# Altium PCB shield_display_4.3.PcbDoc (part 1 of 2)
Units mm, origin at the board's own origin, x right, y up, seen from the top; angles counter-clockwise.
Board outline 144.2 x 84.2 mm, 2 copper layers (Top Layer, Bottom Layer), stack 1.57 mm thick; 53 components, 150 nets, 337 pads, 233 vias.
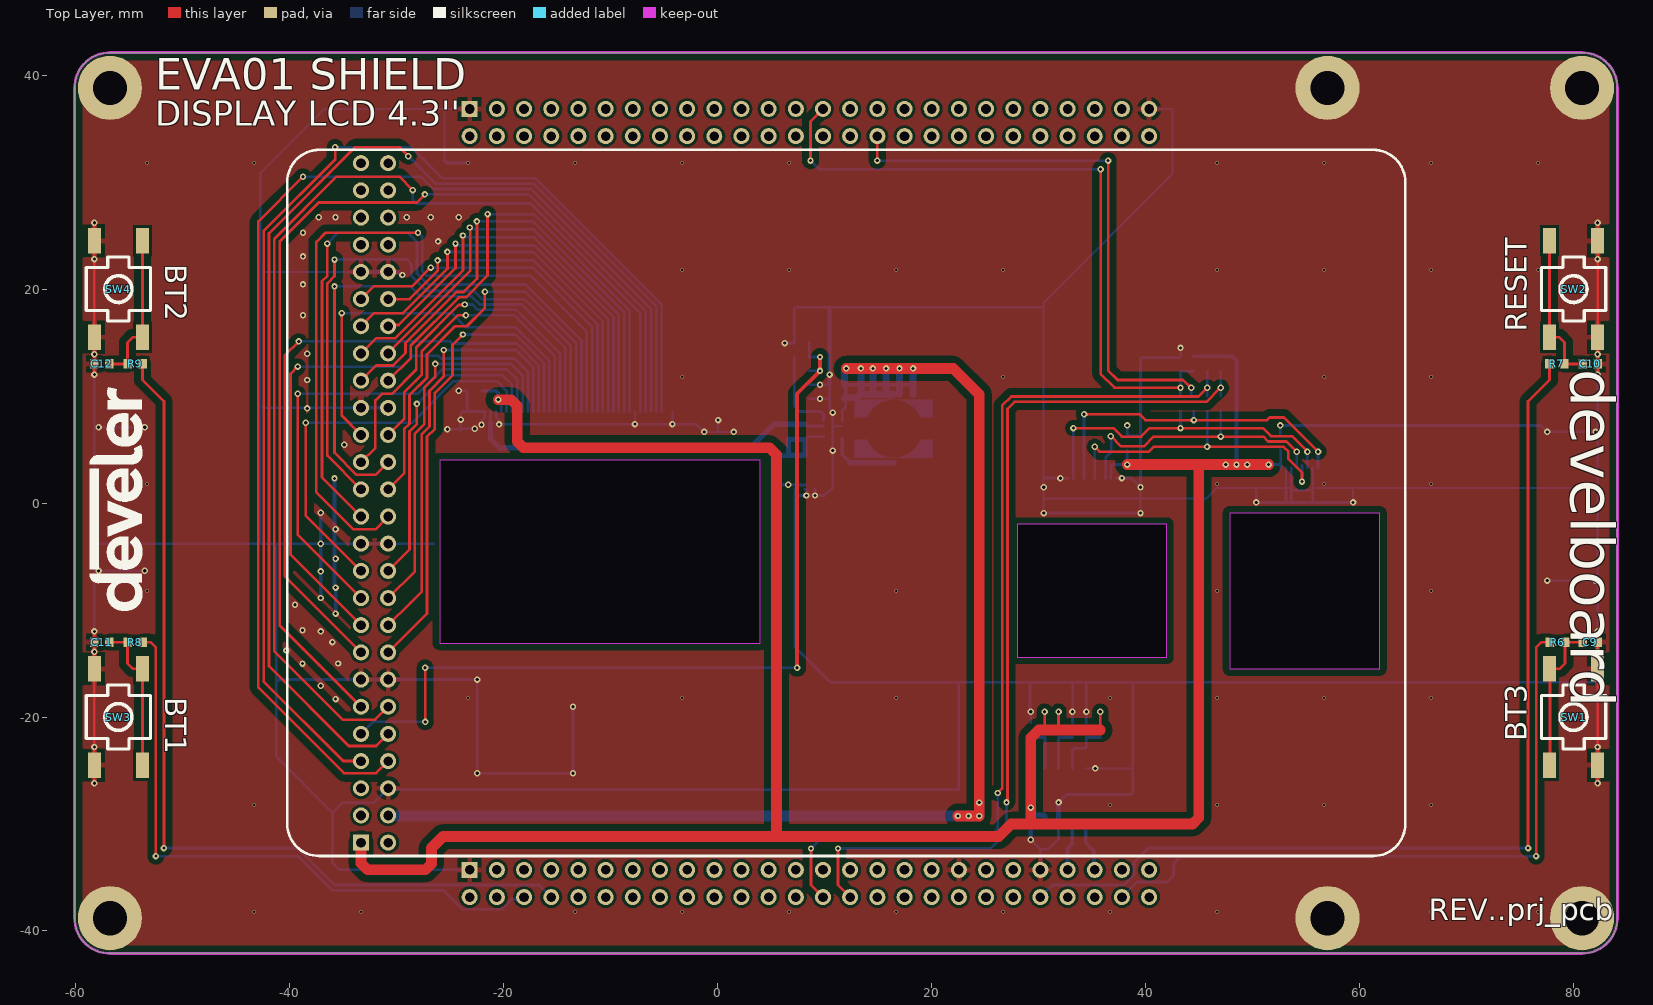
[diagram p0: Top Layer view]
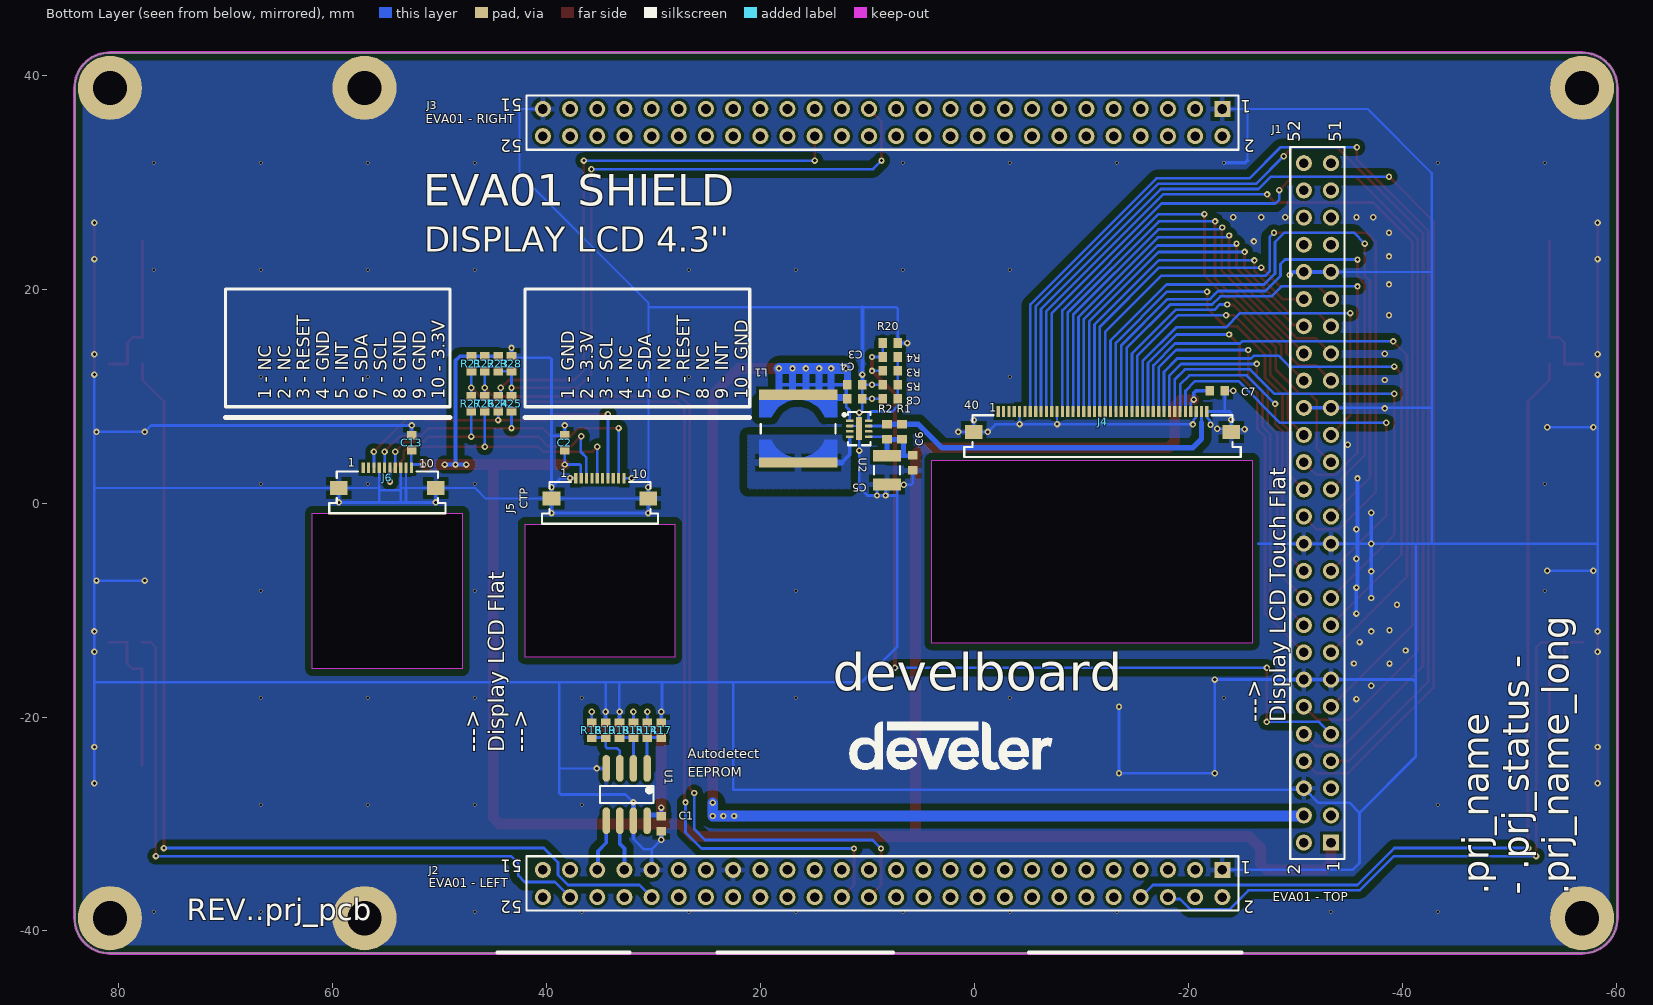
[diagram p1: Bottom Layer view, seen from below]

## Layer stack, top to bottom
Top Solder: solder mask 0.0102, Solder Resist, Dk 3.5
Top Layer: signal copper 0.035
Dielectric1: core 1.5, FR-4, Dk 4.2
Bottom Layer: signal copper 0.035
Bottom Solder: solder mask 0.0102, Solder Resist, Dk 3.5

## Board outline
-56.8,-42.1 cw(c-56.8,-38.8) -60.1,-38.8 -60.1,38.8 cw(c-56.8,38.8) -56.8,42.1 80.8,42.1 cw(c80.8,38.8) 84.1,38.8 84.1,-38.8 cw(c80.8,-38.8) 80.8,-42.1 80.7,-42.1
cut-out: 28,-1.987 28,-14.4 42,-14.4 42,-1.987
cut-out: -25.972,4 -25.972,-13.098 4,-13.098 4,4
cut-out: 47.87,-0.956 47.87,-15.5 61.87,-15.5 61.87,-0.956

## Design rules (kind name [scope] priority, off if disabled: settings)
Clearance Clearance_1 [(ObjectKind = 'Pad') And (Name = 'Free-Hole') vs OnLayer('Keep-Out Layer')] p1: gap=0.15 ignorepadtopadclearanceinfootprint=FALSE
Clearance Clearance_shld [(ObjectKind = 'Pad') And (Net = 'SHLD') vs not OnLayer('Keep-Out Layer')] p2: gap=0.8 ignorepadtopadclearanceinfootprint=FALSE except(0: Arc-Hole Track-Hole SMDPad-Hole THPad-Hole Via-Hole Fill-Hole Poly-Hole Region-Hole Text-Hole; 0.5: Track-SMDPad SMDPad-SMDPad)
Clearance Clearance_hole [(ObjectKind = 'Pad') And (Net = 'No Net') And (AsMM(HoleDiameter) = 3.2)] p3: gap=1 ignorepadtopadclearanceinfootprint=FALSE except(0: Arc-Hole Track-Hole SMDPad-Hole THPad-Hole Via-Hole Fill-Hole Poly-Hole Region-Hole Text-Hole)
Clearance Clearance_poly [inpoly] p4: gap=0.25 ignorepadtopadclearanceinfootprint=FALSE except(0: Arc-Hole Track-Hole SMDPad-Hole THPad-Hole Via-Hole Fill-Hole Poly-Hole Region-Hole Text-Hole; 0.65: Arc-Fill Arc-Poly Arc-Region Track-Fill Track-Poly Track-Region Poly-Poly Poly-Region Region-Region)
Clearance Clearance_80 [(ObjectKind = 'Track') And (AsMM(Width) = 0.8)] p5: gap=0.8 ignorepadtopadclearanceinfootprint=FALSE except(0: Arc-Hole Track-Hole SMDPad-Hole THPad-Hole Via-Hole Fill-Hole Poly-Hole Region-Hole Text-Hole)
Clearance Clearance_45 [(ObjectKind = 'Track') And (AsMM(Width) = 0.45)] p6: gap=0.45 ignorepadtopadclearanceinfootprint=FALSE except(0: Arc-Hole Track-Hole SMDPad-Hole THPad-Hole Via-Hole Fill-Hole Poly-Hole Region-Hole Text-Hole)
Clearance Clearance_35 [(ObjectKind = 'Track') And (AsMM(Width) = 0.35)] p7: gap=0.35 ignorepadtopadclearanceinfootprint=FALSE except(0: Arc-Hole Track-Hole SMDPad-Hole THPad-Hole Via-Hole Fill-Hole Poly-Hole Region-Hole Text-Hole)
Clearance Clearance_com [InComponentClass('015')] p8: gap=0.15 ignorepadtopadclearanceinfootprint=FALSE except(0: Arc-Hole Track-Hole SMDPad-Hole THPad-Hole Via-Hole Fill-Hole Poly-Hole Region-Hole Text-Hole)
Clearance [All] p9: gap=0.25 ignorepadtopadclearanceinfootprint=FALSE except(0: Arc-Hole Track-Hole SMDPad-Hole THPad-Hole Via-Hole Fill-Hole Poly-Hole Region-Hole Text-Hole)
ComponentClearance [All] p1: gap=0.25 collisioncheckmode=3 verticalgap=0.25 showdistances=FALSE
HoleSize [All] p1: absolutevalues=TRUE maxlimit=10 minlimit=0.2 maxpercent=80.000 minpercent=20.000
HoleToHoleClearance [All] p1: gap=0.25 allowstackedmicrovias=TRUE
MinimumSolderMaskSliver MinimumSolderMaskSliver_con [incomponent('j4')] p1: minsoldermaskwidth=0.08
MinimumSolderMaskSliver [All] p2: minsoldermaskwidth=0.1
PlaneClearance [All] p1: clearance=0.5
PlaneConnect PlaneConnect_via [isvia or hasfootprint('TEST_POINT_SMD_R5x3MM')] p1: planeconnectstyle=Direct reliefexpansion=0.508 reliefentries=4 reliefconductorwidth=0.254 reliefairgap=0.254
PlaneConnect [All] p2: planeconnectstyle=Relief reliefexpansion=0.6 reliefentries=4 reliefconductorwidth=0.35 reliefairgap=0.35
PolygonConnect PolygonConnect_holes [InPadClass('flood_pad')] p1: connectstyle=Direct reliefconductorwidth=0.254 reliefentries=4 polygonreliefangle="90 Angle" airgapwidth=0.254
PolygonConnect PolygonConnect_via [isvia or hasfootprint('TEST_POINT_SMD_R5x3MM')] p2: connectstyle=Direct reliefconductorwidth=0.254 reliefentries=4 polygonreliefangle="90 Angle" airgapwidth=0.254
PolygonConnect PolygonConnect_gnd [InNet('gnd')] p3: connectstyle=Relief reliefconductorwidth=0.5 reliefentries=4 polygonreliefangle="90 Angle" airgapwidth=0.35
PolygonConnect PolygonConnect_5v [InNet('+5V','sw')] p4: connectstyle=Relief reliefconductorwidth=0.65 reliefentries=4 polygonreliefangle="90 Angle" airgapwidth=0.35
PolygonConnect [All] p5: connectstyle=Relief reliefconductorwidth=0.35 reliefentries=4 polygonreliefangle="90 Angle" airgapwidth=0.6
RoutingVias [All] p1: holewidth=0.3 width=0.6 viastyle="Through Hole" minholewidth=0.2 minwidth=0.35 maxholewidth=0.5 maxwidth=1
SilkToSilkClearance [All] p1: silktosilkclearance=0.1
SilkToSolderMaskClearance [IsPad] p1: minsilkscreentomaskgap=0.15 clearancetoexposedcopper=TRUE
SolderMaskExpansion SolderMaskExpansion_via [isVia] p1: expansion=-10 istentingtop=FALSE
SolderMaskExpansion [All] p2: expansion=0.05 istentingtop=FALSE
Width [All] p1: maxlimit=5 minlimit=0.15 preferedwidth=0.25
22 further rules are at their usual default settings.

## Classes and differential pairs
pad class flood_pad: Free-Hole
component class 015: J4 J5 J6 U2
net class Power: +3.3V +5V GND VBATT

## Components (designator, comment, footprint, x,y, rotation, side; value= is the part's Value field where it differs from the comment)
C1 "100nF" 0603_[1608] 29.265,-29.97 r90 bottom value=10nF
C2 "100nF" 0603_[1608] 38.291,5.629 r90 bottom value=10nF
C3 "100nF" 0603_[1608] 11.167,9.75 r0 bottom value=10nF
C4 "1uF" 0603_[1608] 11.167,11.05 r0 bottom value=10nF
C5 "2.2uF" 1210_[3225] 8.167,3.075 r90 bottom value=10nF
C6 "100nF" 0603_[1608] 5.75,3.75 r90 bottom value=10nF
C7 "100nF" 0603_[1608] -22.69,10.488 r180 bottom value=10nF
C8 "100nF" 0603_[1608] 7.867,9.75 r180 bottom value=10nF
C9 "100nF" 0603_[1608] 81.55,-13 r180 top value=10nF
C10 "100nF" 0603_[1608] 81.55,13 r180 top value=10nF
C11 "100nF" 0603_[1608] -57.55,-13 r0 top value=10nF
C12 "100nF" 0603_[1608] -57.55,13 r0 top value=10nF
C13 "100nF" 0603_[1608] 52.595,5.654 r90 bottom value=10nF
J1 "EVA01 - TOP" SOCKET_2x26_2.54MM_THD -32.06,0.01 r90 bottom locked
J2 "EVA01 - LEFT" SOCKET_2x26_2.54MM_THD 8.58,-35.56 r0 bottom locked
J3 "EVA01 - RIGHT" SOCKET_2x26_2.54MM_THD 8.58,35.56 r0 bottom locked
J4 "Display LCD 4.3''" FCC-ZIF_40PIN_0.5MM_TOP_LOWPROFILE -11.976,6.248 r180 bottom
J5 "CTP" FCC-ZIF_10PIN_0.5MM_LOW_PROFILE 35,0.007 r180 bottom
J6 "CTP" FCC-ZIF_10PIN_0.5MM_LOW_PROFILE 54.87,1 r180 bottom
L1 "22uH WE 744062220" WE-TPC-6823-X 16.467,6.95 r90 bottom
logo "Comment" DEVELER_TB_TOP -68.801,-144.95 r180 top
logo_1 "Comment" DEVELER_PCB_NOTE 99.631,-144.95 r0 top
logo_1_1 "Comment" DEVELER_TB_TOP 99.631,-144.95 r0 top
R1 "NP" 0603_[1608] 6.767,6.65 r270 bottom value=1K
R2 "10R 1%" 0603_[1608] 8.167,6.65 r270 bottom value=1K
R3 "390K 1%" 0603_[1608] 7.867,12.35 r0 bottom value=1K
R4 "820K 1%" 0603_[1608] 7.867,13.65 r180 bottom value=1K
R5 "220K 1%" 0603_[1608] 7.867,11.05 r0 bottom value=1K
R6 "22R" 0603_[1608] 78.5,-13 r180 top value=1K
R7 "22R" 0603_[1608] 78.45,13 r180 top value=1K
R8 "22R" 0603_[1608] -54.45,-13 r0 top value=1K
R9 "22R" 0603_[1608] -54.45,13 r0 top value=1K
R14 "0R" 0603_[1608] 30.565,-21.22 r270 bottom value=1K
R15 "NP" 0603_[1608] 31.865,-21.22 r270 bottom value=1K
R16 "NP" 0603_[1608] 35.765,-21.22 r270 bottom value=1K
R17 "NP" 0603_[1608] 29.265,-21.22 r270 bottom value=1K
R18 "0R" 0603_[1608] 33.165,-21.22 r270 bottom value=1K
R19 "0R" 0603_[1608] 34.465,-21.22 r270 bottom value=1K
R20 "1K" 0603_[1608] 7.867,14.95 r180 bottom
R21 "2k2" 0603_[1608] 47,13.026 r270 bottom value=1K
R22 "2k2" 0603_[1608] 45.75,13.026 r270 bottom value=1K
R23 "NP" 0603_[1608] 44.516,13.026 r270 bottom value=1K
R24 "33R" 0603_[1608] 44.516,9.276 r90 bottom value=1K
R25 "33R" 0603_[1608] 43.266,9.276 r90 bottom value=1K
R26 "33R" 0603_[1608] 45.75,9.276 r90 bottom value=1K
R27 "33R" 0603_[1608] 47.016,9.276 r90 bottom value=1K
R28 "100k" 0603_[1608] 43.266,13.026 r90 bottom value=1K
SW1 "BT3" TACTILE_SWITCH_6x6MM_SMD 80,-20 r180 top
SW2 "RESET" TACTILE_SWITCH_6x6MM_SMD 80,20 r180 top
SW3 "BT1" TACTILE_SWITCH_6x6MM_SMD -56,-20 r0 top
SW4 "BT2" TACTILE_SWITCH_6x6MM_SMD -56,20 r0 top
U1 "24C128" SOIC8 32.5,-27.25 r270 bottom
U2 "LT3591EDDB" PQFN50P300X200X75_HS-9L 10.767,6.95 r270 bottom

## Footprints (in the part's own frame and the unit in brackets; to place one, negate y for a bottom-side part, rotate by r counter-clockwise, add the part's x,y. Pads: shape width x height; smd on the part's side, far side on the other; paste and mask are expansions set on the pad)
0603_[1608] [mm] "Chip Capacitor, Body 1.6x0.8mm, IPC High Density"
  rect 0.8x0.9 smd: 1(-0.7,0) 2(0.7,0)
  body extent -0.75,-0.4 0.75,0.4, height 0.67
1210_[3225] [mm] "Chip Resistor, Body 3.2x2.5mm, IPC High Density"
  rect 1.1x2.6 smd: 1(-1.35,0) 2(1.35,0)
  silkscreen extent -0.4,-1.2 0.4,1.2, body extent -1.6,-1.25 1.6,1.25, height 1.7
DEVELER_PCB_NOTE [mm]
DEVELER_TB_TOP [mm]
FCC-ZIF_10PIN_0.5MM_LOW_PROFILE [mm] "ZIF Connectors, Horizontal, Bottom Contact Low Profile, pitch 0.5mm, 10p"
  rect 0.3x1 smd: 1(-2.25,2.3) 2(-1.75,2.3) 3(-1.25,2.3) 4(-0.75,2.3) 5(-0.25,2.3) 6(0.25,2.3) 7(0.75,2.3) 8(1.25,2.3) 9(1.75,2.3) 10(2.25,2.3)
  rect 1.65x1.3 smd: MP1(-4.525,0.4) MP2(4.525,0.4)
  silkscreen extent -5.42,-1.95 5.43,1.95, body extent -5.35,-1.9 5.35,2.35, height 1.28
FCC-ZIF_40PIN_0.5MM_TOP_LOWPROFILE [mm] "ZIF Connectors, Horizontal, Top Contact Low Profile, pitch 0.5mm, 40p"
  rect 0.3x1 smd: 1(-9.75,2.3) 2(-9.25,2.3) 3(-8.75,2.3) 4(-8.25,2.3) 5(-7.75,2.3) 6(-7.25,2.3) 7(-6.75,2.3) 8(-6.25,2.3) 9(-5.75,2.3) 10(-5.25,2.3) 11(-4.75,2.3) 12(-4.25,2.3) 13(-3.75,2.3) 14(-3.25,2.3) 15(-2.75,2.3) 16(-2.25,2.3) 17(-1.75,2.3) 18(-1.25,2.3) 19(-0.75,2.3) 20(-0.25,2.3) 21(0.25,2.3) 22(0.75,2.3) 23(1.25,2.3) 24(1.75,2.3) 25(2.25,2.3) 26(2.75,2.3) 27(3.25,2.3) 28(3.75,2.3) 29(4.25,2.3) 30(4.75,2.3) 31(5.25,2.3) 32(5.75,2.3) 33(6.25,2.3) 34(6.75,2.3) 35(7.25,2.3) 36(7.75,2.3) 37(8.25,2.3) 38(8.75,2.3) 39(9.25,2.3) 40(9.75,2.3)
  rect 1.65x1.3 smd: MP1(-12.025,0.4) MP2(12.025,0.4)
  silkscreen extent -12.92,-1.95 12.93,1.95, body extent -12.85,-1.9 12.85,2.35, height 1.28
PQFN50P300X200X75_HS-9L [mm] "PQFN, 8-Leads, Body 3,00x2,00mm, Pitch 0,50mm, Thermal Pad 2,15x0,56mm, IPC High Density"
  rrect50% 0.25x0.7 smd: 1(-0.75,-0.875) 2(-0.25,-0.875) 3(0.25,-0.875) 4(0.75,-0.875) 5(0.75,0.875) 6(0.25,0.875) 7(-0.25,0.875) 8(-0.75,0.875)
  rect 2.15x0.56 smd: 9(0,0)
  silkscreen extent -1.55,-1.53 1.55,1.05, body extent -1.55,-1.05 1.55,1.05, height 0.75
SOCKET_2x26_2.54MM_THD [mm]
  rect 1.5x1.5 hole 0.9: 1(-31.75,-1.27)
  round 1.5 hole 0.9: 2(-31.75,1.27) 3(-29.21,-1.27) 4(-29.21,1.27) 5(-26.67,-1.27) 6(-26.67,1.27) 7(-24.13,-1.27) 8(-24.13,1.27) 9(-21.59,-1.27) 10(-21.59,1.27) 11(-19.05,-1.27) 12(-19.05,1.27) 13(-16.51,-1.27) 14(-16.51,1.27) 15(-13.97,-1.27) 16(-13.97,1.27) 17(-11.43,-1.27) 18(-11.43,1.27) 19(-8.89,-1.27) 20(-8.89,1.27) 21(-6.35,-1.27) 22(-6.35,1.27) 23(-3.81,-1.27) 24(-3.81,1.27) 25(-1.27,-1.27) 26(-1.27,1.27) 27(1.27,-1.27) 28(1.27,1.27) 29(3.81,-1.27) 30(3.81,1.27) 31(6.35,-1.27) 32(6.35,1.27) 33(8.89,-1.27) 34(8.89,1.27) 35(11.43,-1.27) 36(11.43,1.27) 37(13.97,-1.27) 38(13.97,1.27) 39(16.51,-1.27) 40(16.51,1.27) 41(19.05,-1.27) 42(19.05,1.27) 43(21.59,-1.27) 44(21.59,1.27) 45(24.13,-1.27) 46(24.13,1.27) 47(26.67,-1.27) 48(26.67,1.27) 49(29.21,-1.27) 50(29.21,1.27) 51(31.75,-1.27) 52(31.75,1.27)
  silkscreen extent -33.27,-2.54 33.27,2.54, body extent -33.26,-2.54 33.26,2.54, height 8.55
SOIC8 [mm] "SOIC, 8-Leads, Body 4.9x3.8mm, Pitch 1.27mm, IPC Low Density"
  oval 2.5x0.7 smd: 1(-2.45,1.905) 2(-2.45,0.635) 3(-2.45,-0.635) 4(-2.45,-1.905) 5(2.45,-1.905) 6(2.45,-0.635) 7(2.45,0.635) 8(2.45,1.905)
  silkscreen extent -0.8,-2.5 0.8,2.5, body extent -2,-2.5 2,2.5, height 1.75
TACTILE_SWITCH_6x6MM_SMD [mm] "Tactile switch smd 4pin vertical"
  rect 1.2x2.4 smd: 1(2.25,4.5) 2(2.25,-4.5) 3(-2.25,4.5) 4(-2.25,-4.5)
  silkscreen extent -3,-3 3,3, body extent -3.1,-4.5 3.1,4.5, height 9.5
WE-TPC-6823-X [mm] "SMD Inductor, 2-Leads, Body 6,8x6,8mm"
  rect 0.95x7.3 smd: 1(-3.175,0) 2(3.175,0)
  Top Layer region: -2.7,-3.65 -1.05,-3.65 -1.05,-2.5 -1.45,-2.3 -1.65,-2.15 -1.9,-1.95 -2.2,-1.6 -2.35,-1.35 -2.45,-1.15 -2.65,-0.55 -2.7,0
  Top Layer region: 2.7,-3.65 1.05,-3.65 1.05,-2.5 1.35,-2.35 1.7,-2.1 1.95,-1.9 2,-1.85 2.2,-1.6 2.35,-1.35 2.45,-1.15 2.55,-0.9 2.6,-0.7 2.65,-0.5 2.7,0
  Top Layer region: 2.7,3.65 1.05,3.65 1.05,2.5 1.35,2.35 1.65,2.15 2,1.85 2.3,1.45 2.55,0.95 2.65,0.55 2.7,0
  Top Layer region: -2.7,3.65 -1.05,3.65 -1.05,2.5 -1.45,2.3 -1.6,2.2 -1.9,1.95 -2.2,1.6 -2.4,1.25 -2.55,0.95 -2.6,0.75 -2.65,0.5 -2.7,0
  silkscreen extent -0.45,-3.5 0.45,3.5, body extent -3.4,-3.4 3.4,3.4, height 2.29

## Part data
C1 C3 C6 C8 C9 C10 C11 C12: library part Cap, "Ceramic X7R 50V", Published=8-Jun-2000, Publisher="Altium Limited", Revision="July-2002: Re-released for DXP Platform."
C2 C13: library part Cap, "Ceramic X7R 10V", Published=8-Jun-2000, Publisher="Altium Limited", Revision="July-2002: Re-released for DXP Platform."
C4: library part Cap, "Ceramic X7R, X5R 16V", Published=8-Jun-2000, Publisher="Altium Limited", Revision="July-2002: Re-released for DXP Platform."
C5: library part Cap, "Ceramic X7R, X5R 50V", Published=8-Jun-2000, Publisher="Altium Limited", Revision="July-2002: Re-released for DXP Platform."
C7: library part Cap, "Ceramic X5R 6.3V, 10V", Published=8-Jun-2000, Publisher="Altium Limited", Revision="July-2002: Re-released for DXP Platform."
J1 J2 J3: library part "Header 26x2", "Socket Header, 52 pin, 26x2, 2.54mm, H=8.5mm", Part Number="Tyco 1-1634688", Purchase Code="RS 473-8254"
J4: library part FPC-ZIF_40PIN_1MM, "Connectors, FPC, SMT ZIF, Low Profile, Horizontal, Top Contact, pitch 0.5 mm, 40 pins (WE 687140183622)", Contact Resistance="30 mOhm", Operating Temperature="-25 to 85 degC", Part Number=687140183622, Rated Current="0.4 A", Withstanding Voltage="250 VAC", Working Voltage="50 VAC", ComponentLink1Description=Manufacturer, ComponentLink1URL=http://www.we-online.de, ComponentLink2Description=Datasheet, ComponentLink2URL=https://katalog.we-online.de/em/datasheet/687140183622.pdf, Contact Design="Top Contact", Mounting Technology=SMT, Orientation=Horizontal, Packaging="Tape and Reel", Pin Number=40, Pitch="0.5 mm", Published Date="August 2018", Publisher="Wurth Elektronik"
J5: library part FPC-ZIF_10PIN_0.5MM, "Connectors, FPC, SMT ZIF, Low Profile, Horizontal, Top Contact, pitch 0.5 mm, 10 pins (WE 687110183622)", Contact Resistance="30 mOhm", Operating Temperature="-25 to 85 degC", Part Number=687110183722, Rated Current="0.4 A", Withstanding Voltage="250 VAC", Working Voltage="50 VAC", ComponentLink1Description=Manufacturer, ComponentLink1URL=http://www.we-online.de, ComponentLink2Description=Datasheet, ComponentLink2URL=https://katalog.we-online.de/em/datasheet/687110183722.pdf, Contact Design="Bottom Contact", Mounting Technology=SMT, Orientation=Horizontal, Packaging="Tape and Reel", Pin Number=10, Pitch="0.5 mm", Published Date="August 2018", Publisher="Wurth Elektronik"
J6: library part FPC-ZIF_10PIN_0.5MM, "Connectors, FPC, SMT ZIF, Low Profile, Horizontal, BOT Contact, pitch 0.5 mm, 10 pins (WE )", Contact Resistance="30 mOhm", Operating Temperature="-25 to 85 degC", Part Number=687110183722, Rated Current="0.4 A", Withstanding Voltage="250 VAC", Working Voltage="50 VAC", ComponentLink1Description=Manufacturer, ComponentLink1URL=http://www.we-online.de, ComponentLink2Description=Datasheet, ComponentLink2URL=https://katalog.we-online.de/em/datasheet/687110183722.pdf, Contact Design="Bottom Contact", Mounting Technology=SMT, Orientation=Horizontal, Packaging="Tape and Reel", Pin Number=10, Pitch="0.5 mm", Published Date="August 2018", Publisher="Wurth Elektronik"
L1: library part Inductor, "Power Inductor"
R1 R2 R21 R22 R23 R28: library part Res1, "Resistor 0.125W", Published=8-Jun-2000, Publisher="Altium Limited", Revision="July-2002: Re-released for DXP Platform."
R3 R4 R5 R6 R7 R8 R9 R14 R15 R16 R17 R18 R19 R20 R24 R25 R26 R27: library part Res1, "Resistor", Published=8-Jun-2000, Publisher="Altium Limited", Revision="July-2002: Re-released for DXP Platform."
SW1 SW2 SW3 SW4: library part tactile_switch, "Tactile switch smd H=4.3mm 10x6mm (like cod. Farnell 2435308)"
U1: library part EEPROM-SOIC8, "EEPROM"
U2: library part LT3591, "White LED Driver with Integrated Schottky"

## Free pads (board coordinates)
  round 6 hole 3.2: Hole(-56.8,-38.8) Hole(-56.8,38.8) Hole(57,-38.8) Hole(57,38.8) Hole(80.8,-38.8) Hole(80.8,38.8)

## Via types
v1: diameter 0.6, hole 0.3, Top Layer to Bottom Layer, 180 vias
v2: diameter 0.35, hole 0.25, Top Layer to Bottom Layer, 53 vias

## Nets (pads, with @x,y where several pads share a name; then routed paths per layer and width w, separated by ;. In a path a pad name is that pad's centre, name@x,y a point inside that pad or via, vN(x,y) a via of type N, cw(c..) or ccw(c..) an arc to the next point about the centre after c; other vN are vias at no path point)
+1.8V: J3.49
+3.3V: C1.2 C2.1 C7.1 C13.1 J1.1 J4.37 J5.2 J6.10 R14.1 R15.1 R16.1 R21.1 R22.1 R23.1 U1.8 | length 247
  Top Layer w0.25: 30.565,-21.22 v1(30.565,-19.5) ; 31.865,-21.22 v1(31.865,-19.5) ; 35.765,-21.22 v1(35.765,-19.5)
  Top Layer w1: J1.1@-33.33,-31.74 -33.33,-33.67 -32.71,-34.29 -27.336,-34.29 -26.75,-33.704 -26.75,-32.25 -25.67,-31.17 26.275,-31.17 27.448,-29.997 29.265,-29.997 ; v1(-20.508,9.665) -19.312,9.665 -18.726,9.079 -18.726,5.746 -18.14,5.16 4.857,5.16 5.5,4.517 5.5,-31 ; 35.765,-21.22 31.865,-21.22 30.565,-21.22 30.015,-21.22 29.265,-21.97 v1(29.265,-28.47) 29.265,-29.997 ; v1(38.291,3.595) 45,3.595 ; v1(51.5,3.595) v1(49.5,3.595) v1(48.5,3.595) v1(47.5,3.595) 45,3.595 ; 29.265,-29.997 44.387,-29.997 44.973,-29.411 44.973,3.567 45,3.595
  Bottom Layer w0.2: J4.37@-20.226,8.548 -20.226,9.383 ; J5.2@36.75,2.307 36.75,2.666 36.791,2.707 36.791,3.499
  Bottom Layer w0.25: v1(-20.508,9.665) -20.226,9.383 ; R14.1@30.565,-20.52 v1(30.565,-19.5) ; R15.1@31.865,-20.52 v1(31.865,-19.5) ; R16.1@35.765,-20.52 v1(35.765,-19.5) ; 36.791,3.499 36.887,3.595 v1(38.291,3.595) C2.1@38.291,4.929 ; v1(51.5,3.595) 52.595,3.595 J6.10@52.62,3.57 ; C13.1@52.595,4.954 52.62,4.929 J6.10@52.62,3.57 ; J6.10@52.62,3.3 J6.10@52.62,3.57
  Bottom Layer w0.35: C7.1@-21.99,10.488 -20.7,10.488 -20.508,10.297 v1(-20.508,9.665) ; R23.1@44.516,13.726 48.09,13.726 48.5,13.316 v1(48.5,3.595) ; v1(47.5,3.595) v1(48.5,3.595) ; v1(49.5,3.595) v1(48.5,3.595)
  Bottom Layer w0.45: C1.2@29.2,-29.15 C1.2@29.265,-29.15 ; C1.2@29.265,-29.27 29.265,-29.17 C1.2@29.265,-29.15 ; v1(29.265,-28.47) C1.2@29.265,-29.15 ; U1.8@30.595,-29.6 30.595,-29.245 30.5,-29.15 C1.2@29.265,-29.15
+5V: C3.2 C4.2 J1.4 L1.2 U2.1 | length 146.7
  Top Layer w1: v1(12.017,12.582) v1(13.392,12.582) v1(14.517,12.582) v1(15.75,12.582) v1(17,12.582) v1(18.268,12.582) 22.019,12.582 24.458,10.142 v1(24.458,-28) v1(24.458,-29.25) v1(23.458,-29.25) v1(22.458,-29.25)
  Bottom Layer w0.25: U2.1@11.642,7.7 11.642,8.625 11.967,8.95 C3.2@11.967,9.75 ; C3.2@11.867,9.75 C3.2@11.967,9.75 ; C4.2@11.867,11.05 C4.2@11.967,10.95 ; C3.2@11.967,9.875 C3.2@11.967,9.75 ; L1.2@16.092,9.75 L1.2@16.467,10.125
  Bottom Layer w0.35: C4.2@11.867,11.05 13.392,11.05 14.517,11.05 15.75,11.05 17,11.05 18.268,11.05 ; C3.2@11.967,9.875 C4.2@11.967,10.95
  Bottom Layer w0.65: C3.2@11.867,9.75 11.867,9.8 11.942,9.875 11.967,9.875 13.042,9.875 13.292,10.125 L1.2@16.467,10.125 ; C4.2@11.867,11.05 11.867,12.432 v1(12.017,12.582) ; L1.2@13.392,10.142 13.392,11.05 v1(13.392,12.582) ; L1.2@14.517,10.142 14.517,11.05 v1(14.517,12.582) ; L1.2@15.75,10.142 15.75,11.05 v1(15.75,12.582) ; L1.2@17,10.142 17,11.05 v1(17,12.582) ; L1.2@18.268,10.142 18.268,11.05 v1(18.268,12.582)
  Bottom Layer w1: J1.4@-30.79,-29.2 -30.74,-29.25 v1(22.458,-29.25) v1(23.458,-29.25) v1(24.458,-29.25) v1(24.458,-28) ; v1(12.017,12.582) v1(13.392,12.582) v1(14.517,12.582) v1(15.75,12.582) v1(17,12.582) v1(18.268,12.582)
ADCREF_EXT: J2.46
BOOT_RECOVERY: J2.52
GND: C1.1 C2.2 C3.1 C4.1 C5.1 C6.1 C7.2 C8.1 C9.1 C10.1 C11.1 C12.1 C13.2 J1.6 J1.13 J1.14 J1.23 J1.24 J1.33 J1.34 J1.43 J1.44 J2.1 J2.37 J2.43 J3.1 J3.51 J4.5 J4.12 J4.38 J4.40 J4.MP1 J4.MP2 J5.1 J5.10 J5.MP1 J5.MP2 J6.4 J6.8 J6.9 J6.MP1 J6.MP2 pad.Hole R5.2 R17.1 R18.1 R19.1 R20.2 R28.2 SW1.3 SW1.4 SW2.3 SW2.4 SW3.3 SW3.4 SW4.3 SW4.4 U1.4 U1.7 U2.2 U2.9 | length 846.5
  Top Layer w0.25: v1(-58.25,-26.2) SW3.4@-58.25,-24.5 SW3.3@-58.25,-15.5 v1(-58.25,-13.9) v1(-58.25,-12) ; v1(-58.25,12) C12.1@-58.25,13 v1(-58.25,13.9) SW4.4@-58.25,15.5 SW4.3@-58.25,24.5 v1(-58.25,26.2) ; SW1.4@82.25,-15.5 v1(82.25,-13.9) v1(82.25,-12) ; v1(82.25,12) C10.1@82.25,13 v1(82.25,13.9) SW2.3@82.25,15.5 ; v1(82.25,-26.2) SW1.3@82.25,-24.5 SW1.4@82.25,-15.5 ; SW2.3@82.25,15.5 SW2.4@82.25,24.5 v1(82.25,26.2)
  Bottom Layer w0.2: -42.75,17.203 -42.75,21.6 ; J1.43@-33.33,21.6 -42.75,21.6 ; -25.517,32 -25.517,36.83 ; J3.1@-23.17,36.83 -25.517,36.83 ; v1(-7.726,7.374) J4.12@-7.726,8.548 ; v1(-4.226,7.374) J4.5@-4.226,8.548 ; v1(-1.25,6.648) J4.MP1@0.049,6.648 ; v1(0.049,7.75) J4.MP1@0.049,6.648 ; v1(1.5,6.648) J4.MP1@0.049,6.648 ; R20.2@7.167,14.95 7.167,18.183 7.284,18.3 10.467,18.3 30.475,18.3 ; 10.767,5.45 U2.9@10.767,6.95 11.017,7.2 U2.2@11.642,7.2 ; v1(30.475,-0.937) J5.MP2@30.475,0.407 ; U1.4@34.405,-24.8 v1(35.29,-24.8) 38.683,-24.8 38.8,-24.683 38.8,-16.776 38.774,-16.75 ; v1(39.525,-0.937) J5.MP1@39.525,0.407 ; v1(39.525,1.469) J5.MP1@39.525,0.407 ; J3.51@40.33,36.83 42.383,36.83 42.5,36.713 42.5,30.75 30.475,18.725 30.475,18.3 ; v1(50.345,0.056) J6.MP2@50.345,1.4 ; J6.9@53.12,3.3 53.12,1.4 ; 53.62,1.2 55.62,1.2 ; J6.8@53.62,3.3 53.62,1.4 53.12,1.4 ; 55.62,1.4 J6.MP1@59.395,1.4 ; v1(59.395,0.056) J6.MP1@59.395,1.4 ; 82.103,1.4 J6.MP1@59.395,1.4 ; -42.75,21.6 -42.75,30.836 -36.756,36.83 -25.517,36.83 ; J5.MP2@30.475,0.407 J5.MP1@39.525,0.407 ; J5.MP2@30.475,0.407 v1(30.475,1.469) 30.475,2.332 30.475,18.3 ; J5.MP1@39.525,0.407 45.657,0.407 46.65,1.4 J6.MP2@50.345,1.4 ; J6.MP2@50.345,1.4 53.12,1.4
  Bottom Layer w0.25: v1(-58.25,-12) -58.25,-3.8 ; v1(-58.25,12) -58.25,-3.8 ; v1(-57.859,-6.34) v1(-53.548,-6.34) ; v1(-57.859,7.073) v1(-53.548,7.073) ; -42.75,17.203 -42.75,8.9 ; J1.33@-33.33,8.9 -42.75,8.9 ; -26.55,-3.8 J1.24@-30.79,-3.8 J1.23@-33.33,-3.8 -35.806,-3.8 v1(-37.1,-3.8) -41.25,-3.8 ; v1(-25.25,6.9) J4.MP2@-24.099,6.9 ; v1(-24.2,10.488) C7.2@-23.39,10.488 -23.39,8.686 -23.529,8.548 ; J4.MP2@-24.001,6.648 v1(-24.001,7.799) -24.001,8.4 -23.853,8.548 -23.529,8.548 ; J4.MP2@-23.841,6.95 v1(-22.69,6.95) ; J2.1@-23.17,-34.29 -35.359,-34.29 -36,-33.649 -36,-28.96 ; v1(-22.068,7.308) -22.02,7.356 -22.02,7.715 -21.751,7.984 -21.751,8.523 J4.40@-21.726,8.548 -23.529,8.548 ; J4.38@-20.726,8.548 -20.701,8.523 -20.701,7.984 -20.493,7.776 -20.493,7.417 v1(-20.426,7.35) -1.952,7.35 v1(-1.25,6.648) ; v1(-13.514,-19.04) v1(-13.514,-25.25) v1(-22.457,-25.25) v1(-22.457,-16.5) J1.14@-30.79,-16.5 J1.13@-33.33,-16.5 -41,-16.5 -41.25,-16.75 ; C6.1@5.75,3.05 5.75,1.872 5.922,1.7 v1(6.6,1.7) 8.141,1.7 C5.1@8.167,1.725 ; v1(6.267,14.95) R20.2@7.167,14.95 ; C5.1@8.167,1.3 8.3,1.167 v1(8.3,0.7) ; C5.1@8.167,1.667 7.567,1.667 7.2,1.3 7.2,0.7 ; C8.1@8.567,9.75 v1(9.567,9.75) C3.1@10.467,9.75 ; R5.2@8.567,11.05 v1(9.567,11.05) C4.1@10.467,11.05 C3.1@10.467,9.75 ; C5.1@9.1,1.3 v1(9.1,0.7) ; 10.767,5.45 v1(10.767,4.9) 10.767,1.467 10,0.7 v1(9.1,0.7) ; U2.9@10.767,6.95 v1(10.767,8.45) 10.467,8.75 C3.1@10.467,9.75 ; v1(29.265,-31.47) 30.17,-32.375 ; R17.1@29.265,-20.52 v1(29.265,-19.5) 29.2,-19.435 29.2,-16.75 ; J2.43@30.17,-34.29 30.17,-32.375 ; v1(30.475,-0.937) v1(39.525,-0.937) ; 30.475,2.332 32.016,2.332 v1(32.041,2.307) J5.10@32.75,2.307 ; U1.7@31.865,-29.7 31.865,-31.39 30.88,-32.375 30.17,-32.375 ; v1(31.865,-27.986) 32.601,-27.25 38.654,-27.25 38.8,-27.104 38.8,-24.683 ; R18.1@33.165,-20.52 v1(33.165,-19.5) 33.2,-19.465 33.2,-16.75 ; R19.1@34.465,-20.52 v1(34.465,-19.5) 34.465,-16.75 ; J5.1@37.25,2.307 37.275,2.332 v1(37.791,2.332) 38.662,2.332 v1(39.525,1.469) 39.525,6.3 ; v1(38.291,7.249) C2.2@38.291,6.329 ; C2.2@38.365,6.403 C2.2@38.291,6.329 ; v1(43.266,14.5) R28.2@43.266,13.726 43.115,13.575 39.671,13.575 39.525,13.429 39.525,6.3 ; v1(50.345,0.056) 53.12,0.056 ; C13.2@52.595,6.354 v1(52.595,7.249) 76.946,7.249 v1(77.548,6.648) v1(82.048,6.648) ; 53.12,1.4 53.12,0.056 ; 53.62,1.4 53.62,1.2 53.62,0.056 ; J6.4@55.62,3.3 55.62,1.4 55.62,1.2 55.62,0.056 ; v1(59.395,0.056) 55.62,0.056 ; v1(77.548,-7.25) v1(82.048,-7.25) ; v1@82.103,6.501 v1@82.25,6.648 ; v1(82.25,-26.2) v1(82.25,-22.8) 82.25,-16.75 ; v1(82.25,12) v1@82.25,6.648 ; -58.25,-3.8 -42.75,-3.8 ; -42.75,-3.8 -42.75,8.9 ; -42.75,-3.8 -41.25,-3.8 ; -41.25,-16.75 -41.25,-3.8 ; -41.25,-16.75 -41.25,-23.71 -36,-28.96 ; -36,-28.96 -35.04,-28 -32.13,-28 J1.6@-30.79,-26.66 -30.65,-26.8 22.55,-26.8 22.55,-16.75 ; 7.2,0.7 7.2,-13.4 10.55,-16.75 22.55,-16.75 ; 7.2,0.7 v1(8.3,0.7) ; v1(8.3,0.7) v1(9.1,0.7) ; 22.55,-16.75 29.2,-16.75 ; 29.2,-16.75 33.2,-16.75 ; 33.2,-16.75 34.465,-16.75 ; 34.465,-16.75 38.774,-16.75 82.25,-16.75 ; C2.2@38.291,6.329 38.321,6.3 39.525,6.3 ; 53.12,0.056 53.62,0.056 ; 53.62,0.056 55.62,0.056 ; 82.25,-16.75 v1(82.25,-13.9) v1(82.25,-12) v1@82.25,6.648
  Bottom Layer w0.35: v1(-37.1,-8.88) v1(-37.1,-6.387) v1(-37.1,-3.8) v1(-37.1,-0.9) ; v1(-35.806,2.3) -35.806,-3.8 -35.806,-7.732 -35.7,-7.838 v1(-35.7,-7.906) v1(-35.7,-10.335) ; J1.33@-33.33,8.9 J1.34@-30.79,8.9 ; J1.43@-33.33,21.6 J1.44@-30.79,21.6 -29.813,21.6 -29.526,21.313 v1(-29.458,21.313) ; -25.517,32 -25.317,31.8 v2(-23.3,31.8) ; C4.1@10.467,11.05 v1(10.467,12) 10.467,18.3
  Bottom Layer w0.45: v1(29.265,-31.47) C1.1@29.265,-30.67 ; U1.7@31.865,-29.7 v1(31.865,-27.986)
  other v1: -58.25,-22.8 -35.7,-18.327 -37.1,-17.071 -38.8,-15.009 -35.467,-15 -40.3,-13.782 -36,-13 -37.1,-12 -38.8,-11.898 -39.5,-9.5 -35.7,-5.2 -35.7,-2.46 -34.9,5.446 -38.359,8.845 -38.359,11.5 -38.359,13.95 -38.75,17.555 -38.75,20.437 -58.25,22.8 82.25,22.8 -38.75,23.05 -26.12,24.452 -38.75,25.265 -37.28,26.716 -35.713,26.716 -29.053,26.716 -26.818,26.716 -24.2,26.716
  other v2: -43.3,-38.2 -33.3,-38.2 -13.3,-38.2 -3.3,-38.2 6.7,-38.2 16.7,-38.2 26.7,-38.2 36.7,-38.2 46.7,-38.2 66.7,-38.2 76.7,-38.2 -43.3,-28.2 36.7,-28.2 46.7,-28.2 56.7,-28.2 66.7,-28.2 -23.3,-18.2 -3.3,-18.2 16.7,-18.2 36.7,-18.2 46.7,-18.2 56.7,-18.2 66.7,-18.2 -53.3,-8.2 16.7,-8.2 46.7,-8.2 66.7,-8.2 -53.3,1.8 46.7,1.8 56.7,1.8 66.7,1.8 -3.3,11.8 26.7,11.8 56.7,11.8 66.7,11.8 -3.3,21.8 6.7,21.8 16.7,21.8 26.7,21.8 46.7,21.8 56.7,21.8 66.7,21.8 76.7,21.8 -53.3,31.8 -43.3,31.8 -13.3,31.8 -3.3,31.8 6.7,31.8 46.7,31.8 56.7,31.8 66.7,31.8 76.7,31.8
HHSDMA_DHSDM_V14: J2.41
HHSDPA_DHSDP_W14: J2.39
JTAGSEL_V2: J2.35
LED+: J4.39 R1.1 R2.1 U2.7 | length 35
  Bottom Layer w0.25: -21.226,7.5 J4.39@-21.226,8.548 ; R2.1@8.167,7.35 8.317,7.2 U2.7@9.892,7.2
  Bottom Layer w0.5: -21.226,7.5 -21.226,5.991 -20.395,5.16 3.027,5.16 5.217,7.35 R1.1@6.767,7.35 R2.1@8.167,7.35
NetC5_2: C5.2 C6.2 R1.2 R2.2 U2.5 | length 9.7
  Bottom Layer w0.25: R2.2@8.417,6.2 U2.5@9.892,6.2
  Bottom Layer w0.45: C6.2@5.75,4.45 5.775,4.425 6.817,4.425 C5.2@8.167,4.425 ; 6.617,4.475 R1.2@6.617,6 ; R1.2@6.767,5.95 R2.2@8.167,5.95 C5.2@8.167,4.526 ; 6.817,4.475 C5.2@8.241,4.475
NetC8_2: C8.2 R3.1 R4.2 R5.1 U2.8 | length 8.3
  Bottom Layer w0.25: R4.2@7.167,13.65 C8.2@7.167,9.75 7.167,9.05 7.667,8.55 9.667,8.55 9.892,8.325 U2.8@9.892,7.7
NetC9_2: C9.2 R6.1 SW1.1 SW1.2 | length 14.3
  Top Layer w0.25: SW1.1@77.8,-24.5 77.8,-15.5 78.7,-15.5 79.2,-15 R6.1@79.2,-13 C9.2@80.9,-13
NetC10_2: C10.2 R7.1 SW2.1 SW2.2 | length 14.3
  Top Layer w0.25: SW2.2@77.75,24.5 SW2.1@77.75,15.5 78.65,15.5 79.15,15 R7.1@79.15,13 C10.2@80.85,13
NetC11_2: C11.2 R8.1 SW3.1 SW3.2 | length 14.3
  Top Layer w0.25: C11.2@-56.85,-13 R8.1@-55.15,-13 -55.15,-15 -54.65,-15.5 SW3.1@-53.75,-15.5 SW3.2@-53.75,-24.5
NetC12_2: C12.2 R9.1 SW4.1 SW4.2 | length 14.3
  Top Layer w0.25: C12.2@-56.85,13 R9.1@-55.15,13 -55.15,15 -54.65,15.5 SW4.2@-53.75,15.5 SW4.1@-53.75,24.5
NetR14_2: R14.2 R17.2 U1.1 | length 4.2
  Bottom Layer w0.25: R17.2@29.265,-21.92 R14.2@30.565,-21.92 30.595,-21.95 U1.1@30.595,-24.8
NetR15_2: R15.2 R18.2 U1.2 | length 4.2
  Bottom Layer w0.25: U1.2@31.865,-24.8 R15.2@31.865,-21.92 R18.2@33.165,-21.92
NetR16_2: R16.2 R19.2 U1.3 | length 5.3
  Bottom Layer w0.25: U1.3@33.135,-24.8 33.135,-23.175 33.39,-22.92 34.319,-22.92 34.465,-22.773 R19.2@34.465,-21.92 R16.2@35.765,-21.92
PA0_LCDDAT0_TMS_A7: J1.41 J4.20 | length 33
  Top Layer w0.25: J1.41@-33.33,19.06 -32.14,20.25 -28.568,20.25 v1(-26.818,22)
  Bottom Layer w0.25: v1(-26.818,22) -17.25,22 -11.726,16.476 J4.20@-11.726,8.548
PA1_LCDDAT1_F6: J1.42 J4.19 | length 32.3
  Top Layer w0.25: J1.42@-30.79,19.06 -28.803,19.06 -26.539,21.325 -26.143,21.72 -26.143,22.654 v1(-26.167,22.679)
  Bottom Layer w0.25: v1(-26.167,22.679) -17.221,22.679 -11.226,16.683 J4.19@-11.226,8.548
PA2_LCDDAT2_G1_TXCK_E6: J1.39 J4.18 | length 37.5
  Top Layer w0.25: J1.39@-33.33,16.52 -32.1,17.75 -29.406,17.75 -26.331,20.825 -25.25,21.906 v1(-25.25,23.465)
  Bottom Layer w0.25: v1(-25.25,23.465) -17.215,23.465 -10.726,16.976 J4.18@-10.726,8.548
PA3_LCDDAT3_G1_RXCK_C6: J1.40 J4.17 | length 36.7
  Top Layer w0.25: J1.40@-30.79,16.52 -30.675,16.635 -29.814,16.635 -26.124,20.325 -24.5,21.949 v1(-24.5,24.25)
  Bottom Layer w0.25: v1(-24.5,24.25) -24.325,24.075 -17.118,24.075 -10.226,17.183 J4.17@-10.226,8.548
PA4_LCDDAT4_G1_TXEN_D6: J1.37 J4.16 | length 42.1
  Top Layer w0.25: J1.37@-33.33,13.98 -31.915,15.395 -30.137,15.395 -23.804,21.729 v1(-23.804,25)
  Bottom Layer w0.25: v1(-23.804,25) -23.629,24.825 -17.161,24.825 -9.726,17.39 J4.16@-9.726,8.548
PA5_LCDDAT5_G1_TXER_B6: J1.38 J4.15 | length 41.3
  Top Layer w0.25: J1.38@-30.79,13.98 -30.79,14.036 -23.129,21.697 -23.129,25.709 v1(-23.17,25.75)
  Bottom Layer w0.25: v1(-23.17,25.75) -22.995,25.575 -17.204,25.575 -9.226,17.597 J4.15@-9.226,8.548
PA6_LCDDAT6_G1_CRS_A6: J1.35 J4.14 | length 47.2
  Top Layer w0.25: J1.35@-33.33,11.44 -31.915,12.855 -30.324,12.855 -29.165,14.014 -29.165,14.953 -24.389,19.73 -23.736,19.73 -22.495,20.97 -22.495,26.32 v1(-22.5,26.325)
  Bottom Layer w0.25: v1(-22.5,26.325) -17.247,26.325 -8.726,17.805 J4.14@-8.726,8.548
PA7_LCDDAT7_E5: J1.36 J4.13 | length 46.3
  Top Layer w0.25: J1.36@-30.79,11.44 -28.665,13.565 -28.665,14.746 -24.182,19.23 -23.529,19.23 -21.5,21.258 v1(-21.5,27)
  Bottom Layer w0.25: v1(-21.5,27) -17.214,27 -8.226,18.012 J4.13@-8.226,8.548
PA8_LCDDAT8_TCK_A5: J1.31 J4.28 | length 38.1
  Top Layer w0.25: v1(-35.131,17.75) -35.131,8.161 J1.31@-33.33,6.36
  Bottom Layer w0.25: v1(-35.131,17.75) -24.84,17.75 -23.515,16.425 -18.867,16.425 -15.726,13.284 J4.28@-15.726,8.548
PA9_LCDDAT9_G1_COL_F4: J1.32 J4.27 | length 30
  Top Layer w0.25: J1.32@-30.79,6.36 -29.297,7.853 -29.297,10.332 -28.243,11.386 -28.243,11.401 -27.665,11.979 -27.665,14.172 -25.907,15.93 -24.282,17.555 v1(-23.529,17.555)
  Bottom Layer w0.25: J1.32@-30.79,6.36 -30.68,6.25 J1.32@-30.57,6.36 ; v1(-23.529,17.555) -19.012,17.555 -15.226,13.769 J4.27@-15.226,8.548
PA10_LCDDAT10_G1_RXDV_F5: J1.29 J4.26 | length 35.8
  Top Layer w0.25: J1.29@-33.33,3.82 -31.99,5.16 -31.99,9.581 -31.364,10.207 -30.432,10.207 -28.165,12.474 -28.165,14.539 -24.197,18.507 -23.676,18.507 v1(-23.629,18.555)
  Bottom Layer w0.25: v1(-23.629,18.555) -22.923,18.555 -22.423,18.055 -18.805,18.055 -14.726,13.976 J4.26@-14.726,8.548
PA11_LCDDAT11_G1_RXER_D5: J1.30 J4.25 | length 51.8
  Top Layer w0.25: v1(-35.806,20.25) -35.806,4.705 -33.736,2.635 -31.975,2.635 J1.30@-30.79,3.82
  Bottom Layer w0.25: v1(-35.806,20.25) -28.702,20.25 -27.774,19.321 -22.983,19.321 -22.222,18.56 -19.666,18.56 ; J1.30@-30.79,3.82 J1.30@-30.772,3.803 ; -19.666,18.555 -18.305,18.555 -14.226,14.476 J4.25@-14.226,8.548
PA12_LCDDAT12_G1_RX0_G5: J1.27 J4.24 | length 55.3
  Top Layer w0.25: v1(-35.806,22.754) -35.806,21.205 -36.481,20.53 -36.481,4.431 J1.27@-33.33,1.28
  Bottom Layer w0.25: v1(-35.806,22.754) -29.016,22.754 -28.602,22.341 -28.602,21.233 -27.19,19.821 -22.762,19.821 -22.425,19.485 -22.425,19.47 -22.015,19.06 -18.06,19.06 -13.726,14.726 J4.24@-13.726,8.548
PA13_LCDDAT13_G1_RX1_C5: J1.28 J4.23 | length 39.8
  Top Layer w0.25: J1.28@-30.79,1.28 -29.297,2.773 -29.297,6.9 -28.797,7.4 -28.797,10.075 -27.165,11.707 -27.165,13.895 -24.54,16.52 -23.447,16.52 -21.75,18.218 v1(-21.75,19.75)
  Bottom Layer w0.25: J1.28@-30.79,1.28 J1.28@-30.775,1.265 ; v1(-21.75,19.75) -18,19.75 -13.226,14.976 J4.23@-13.226,8.548
PA14_LCDDAT14_G1_TX0_E4: J1.25 J4.22 | length 63.9
  Top Layer w0.25: v1(-36.481,24.25) -36.481,21.237 -36.981,20.737 -36.981,2.391 J1.25@-33.33,-1.26
  Bottom Layer w0.25: v1(-36.481,24.25) -35.465,25.265 -28.982,25.265 -28.102,24.385 -28.102,21.441 -27.087,20.425 -17.968,20.425 -12.726,15.183 J4.22@-12.726,8.548
PA15_LCDDAT15_G1_TX1_B5: J1.26 J4.21 | length 70.8
  Top Layer w0.25: J1.26@-30.79,-1.26 -31.99,-2.46 -34.04,-2.46 -37.5,1 -37.5,24.39 -36.625,25.265 v1(-28,25.265)
  Bottom Layer w0.25: J1.26@-30.79,-1.26 J1.26@-30.785,-1.255 ; v1(-28,25.265) -27.602,24.867 -27.602,21.648 -27.205,21.25 -17.5,21.25 -12.226,15.976 J4.21@-12.226,8.548
PA16_LCDDAT16_NTRST_H6: J1.21 J4.36 | length 38.7
  Top Layer w0.25: v1(-38.5,7.5) -38.5,-1.17 J1.21@-33.33,-6.34
  Bottom Layer w0.25: v1(-38.5,7.5) -28.578,7.5 -24.692,11.386 -20.621,11.386 -19.726,10.491 J4.36@-19.726,8.548
PA17_LCDDAT17_D4: J1.22 J4.35 | length 29.6
  Top Layer w0.25: J1.22@-30.79,-6.34 -28.797,-4.347 -28.797,6.693 -28.105,7.385 v1(-28.105,9.26)
  Bottom Layer w0.25: v1(-28.105,9.26) -25.43,11.935 -20.085,11.935 -19.226,11.076 J4.35@-19.226,8.548
PA18_LCDDAT18_G1_RX2_G4: J1.19 J4.34 | length 46.4
  Top Layer w0.25: v1(-39.25,10.207) -39.25,-2.96 J1.19@-33.33,-8.88
  Bottom Layer w0.25: v1(-39.25,10.207) -39.247,10.209 -28.047,10.209 -25.756,12.5 -19.67,12.5 -18.726,11.556 J4.34@-18.726,8.548
PA19_LCDDAT19_G1_RX3_C4: J1.20 J4.33 | length 35.7
  Top Layer w0.25: J1.20@-30.79,-8.88 -28.297,-6.387 -28.297,6.486 -27.43,7.353 -27.43,10.735 -26.4,11.765 v1(-26.4,13)
  Bottom Layer w0.25: v1(-26.4,13) -19.316,13 -18.226,11.91 J4.33@-18.226,8.548
PA20_LCDDAT20_G1_TX2_A3: J1.17 J4.32 | length 53.5
  Top Layer w0.25: v1(-39.25,12.75) -39.925,12.075 -39.925,-4.825 J1.17@-33.33,-11.42
  Bottom Layer w0.25: v1(-39.25,12.75) -29.458,12.75 -28.433,13.775 -26.12,13.775 -25.845,13.5 -18.959,13.5 -17.726,12.267 J4.32@-17.726,8.548
PA21_LCDDAT21_G1_TX3_B4: J1.18 J4.31 | length 41
  Top Layer w0.25: J1.18@-30.79,-11.42 -28.675,-9.305 -27.665,-8.295 -27.665,6.411 -26.93,7.146 -26.93,10.488 -25.6,11.818 v1(-25.6,14.3)
  Bottom Layer w0.25: v1(-25.6,14.3) -18.864,14.3 -17.226,12.663 J4.31@-17.226,8.548
PA22_LCDDAT22_G1_MDC_B3: J1.15 J4.30 | length 60.2
  Top Layer w0.25: v1(-39.145,15.105) -40.425,13.825 -40.425,-6.865 J1.15@-33.33,-13.96
  Bottom Layer w0.25: v1(-39.145,15.105) -25.021,15.105 -24.819,14.903 -18.759,14.903 -16.726,12.87 J4.30@-16.726,8.548
PA23_LCDDAT23_G1_MDIO_A4: J1.16 J4.29 | length 45.8
  Top Layer w0.25: J1.16@-30.79,-13.96 -28.175,-11.345 -27.165,-10.335 -27.165,6.204 -26.43,6.939 -26.43,10.281 -24.776,11.935 -24.776,14.778 v1(-23.804,15.75)
  Bottom Layer w0.25: v1(-23.804,15.75) -18.899,15.75 -16.226,13.077 J4.29@-16.226,8.548